# Altium PCB 20200707USB调压器V1.3 - 副本.PcbDoc
Units mil, origin at the board's own origin, x right, y up, seen from the top; angles counter-clockwise.
Board outline 2660.94 x 940.03 mil, 2 copper layers (Top Layer, Bottom Layer); 71 components, 56 nets, 223 pads, 172 vias.
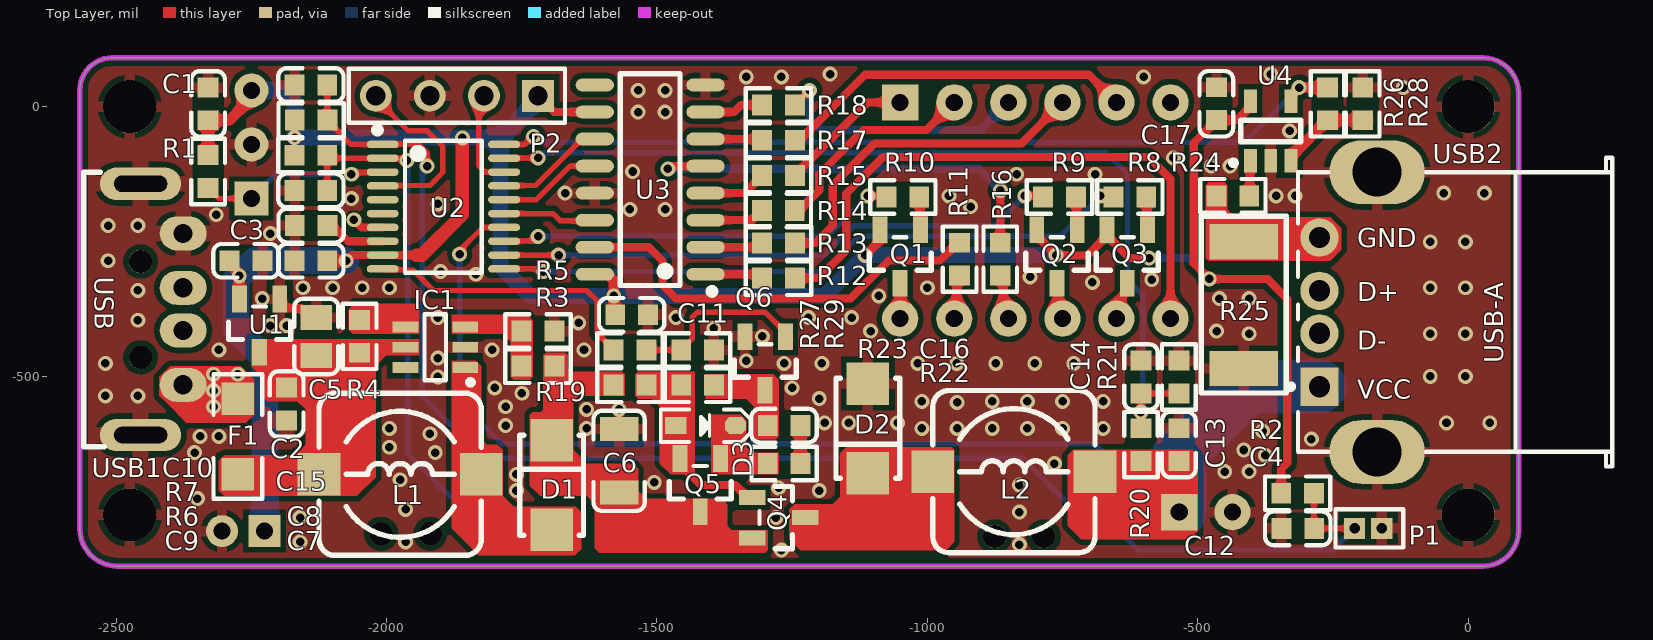
[diagram p0: Top Layer view]
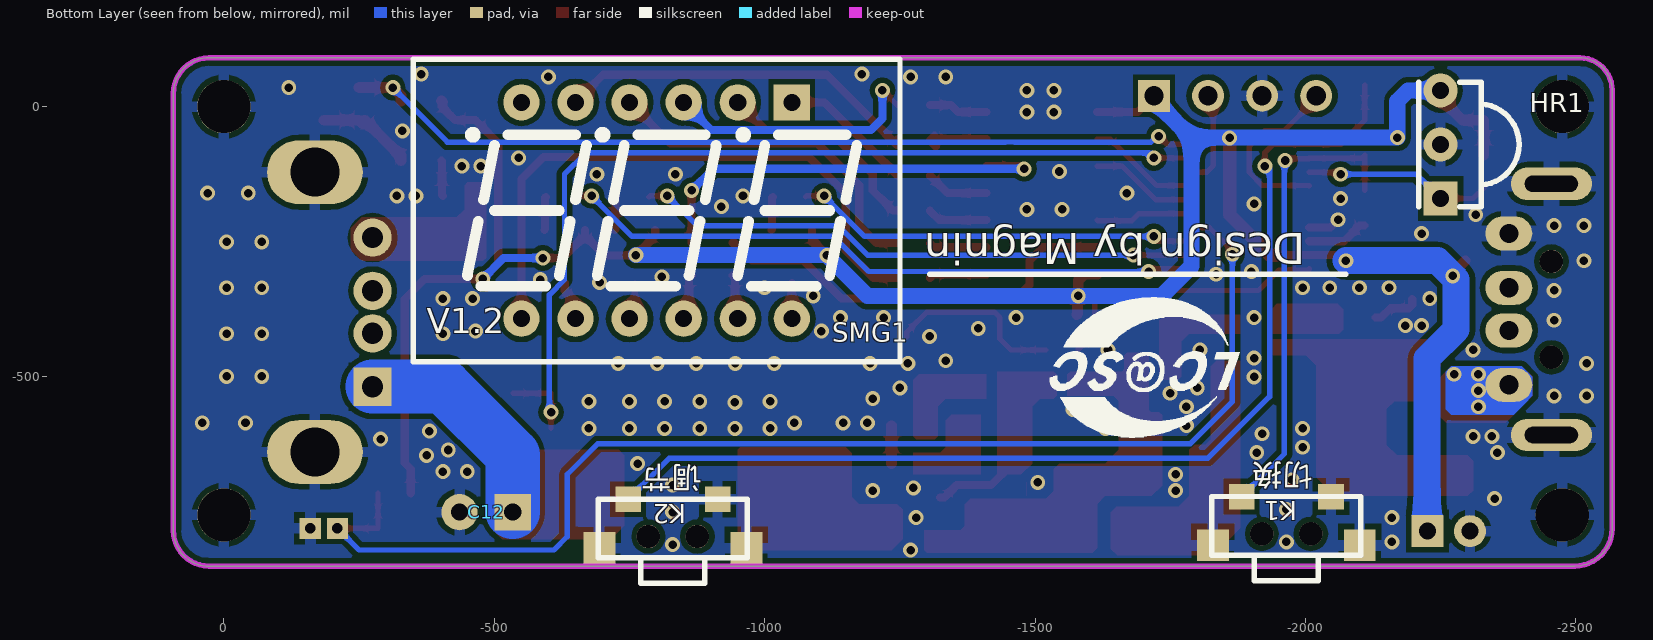
[diagram p1: Bottom Layer view, seen from below]
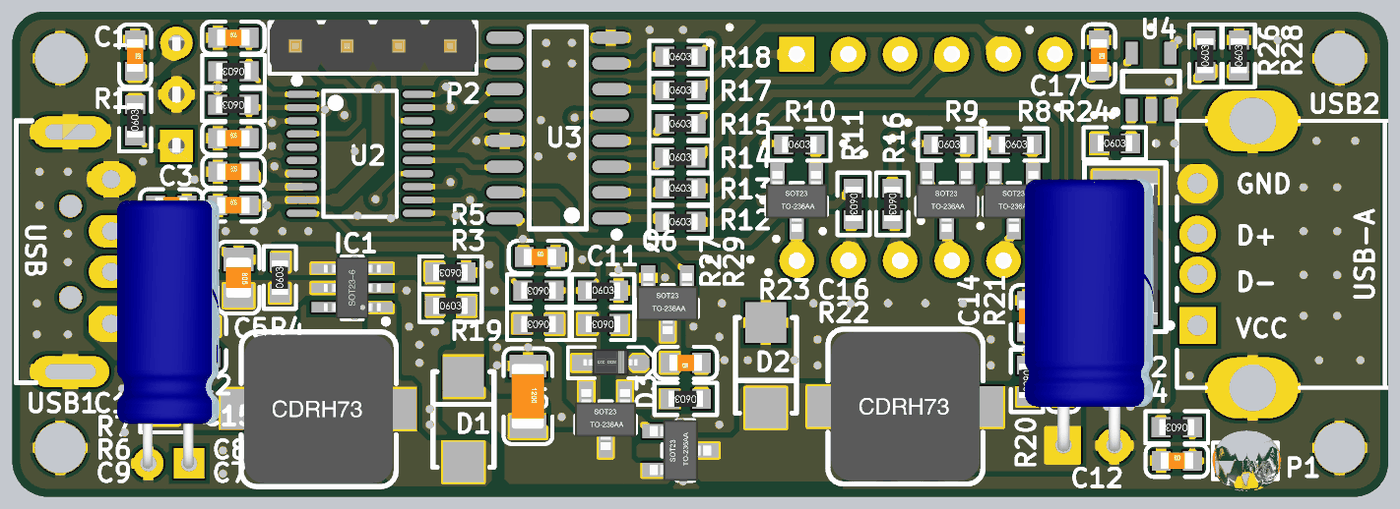
[diagram p2: 3D render of the assembled board from above, using the file's embedded part models]
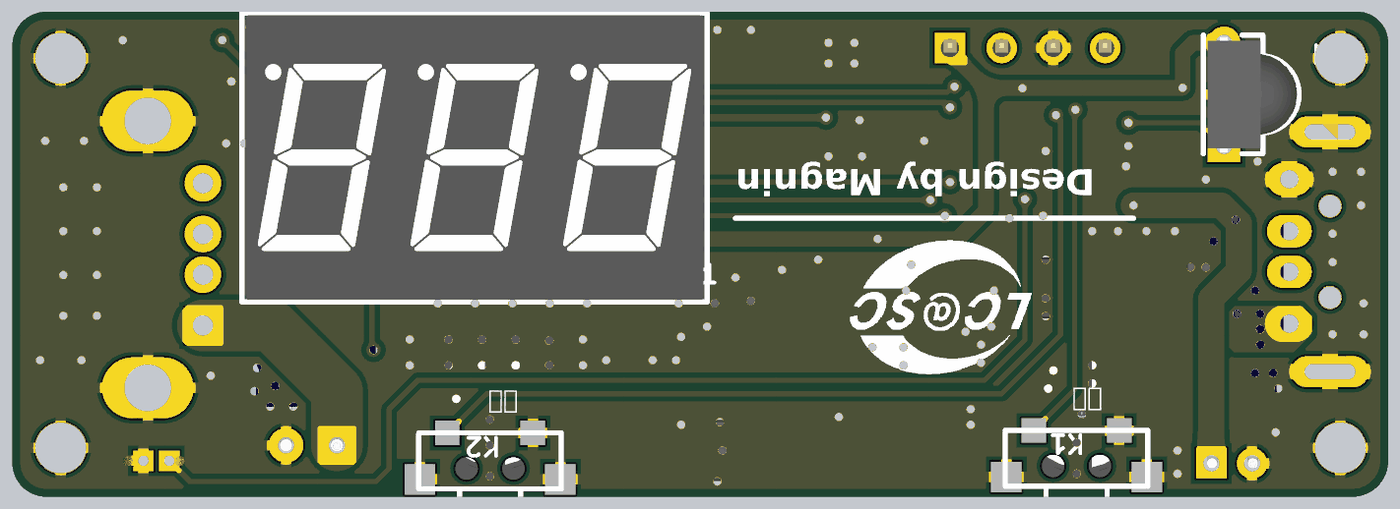
[diagram p3: 3D render of the assembled board from below, using the file's embedded part models]

## Layer stack, top to bottom
Top Solder: solder mask 0.4, Solder Resist, Dk 3.5
Top Layer: signal copper 1.4
Dielectric 1: dielectric 12.6, FR-4, Dk 4.8
Bottom Layer: signal copper 1.4
Bottom Solder: solder mask 0.4, Solder Resist, Dk 3.5

## Board outline
-2567.39,-780.25 -2567.39,30.25 cw(c-2507.37,30.25) -2507.37,90.27 27.4,90.27 cw(c27.4,24.12) 93.55,24.12 93.55,-783.62 cw(c27.4,-783.62) 27.4,-849.76 -2497.88,-849.76 cw(c-2497.88,-780.25)

## Design rules (kind name [scope] priority, off if disabled: settings)
Clearance Clearance_1 [(InComponent('K1') or InComponent('K2')   )  and IsPad] p1: gap=10 ignorepadtopadclearanceinfootprint=FALSE except(0: Arc-SMDPad Track-SMDPad)
Clearance [All] p2: gap=10 ignorepadtopadclearanceinfootprint=FALSE except(0: Arc-Hole Track-Hole SMDPad-Hole THPad-Hole Via-Hole Fill-Hole Poly-Hole Region-Hole Text-Hole)
ComponentClearance [All] p1: gap=0 collisioncheckmode=3 verticalgap=0 showdistances=FALSE
PolygonConnect PolygonConnect_2 [(InComponent('USB1') or InComponent('R27')) and InNet('GND') or InComponent('C2')] p1: connectstyle=Relief reliefconductorwidth=30 reliefentries=4 polygonreliefangle="90 Angle" airgapwidth=10
PolygonConnect PolygonConnect_1 [IsVia] p2: connectstyle=Direct reliefconductorwidth=10 reliefentries=4 polygonreliefangle="90 Angle" airgapwidth=10
PolygonConnect [All] p3: connectstyle=Relief reliefconductorwidth=20 reliefentries=4 polygonreliefangle="90 Angle" airgapwidth=10
RoomDefinition INFRARED [InComponentClass('INFRARED')] p1: confinementstyle=ConfineIn formatcopy=TRUE lockcomponents=FALSE outline -2025,340 -2490,340 -2490,-225 -2025,-225
RoomDefinition 电源模块 [InComponentClass('电源模块')] p2: confinementstyle=ConfineIn formatcopy=TRUE lockcomponents=FALSE outline -3300,-840 385,-840 385,105 -3300,105
RoomDefinition 显示模块 [InComponentClass('显示模块')] p3: confinementstyle=ConfineIn formatcopy=TRUE lockcomponents=FALSE outline -1810.32,-560 -210,-560 -210,140 -1810.32,140
RoomDefinition 按键模块 [InComponentClass('按键模块')] p4: confinementstyle=ConfineIn formatcopy=TRUE lockcomponents=FALSE outline -2275,125 -595,125 -595,-910 -2275,-910
RoomDefinition 主控模块 [InComponentClass('主控模块')] p5: confinementstyle=ConfineIn formatcopy=TRUE lockcomponents=FALSE outline -2310,-350 -2310,135 -1660,135 -1660,-350
RoomDefinition U_SX1308 [InComponentClass('U_SX1308')] p6: confinementstyle=ConfineIn formatcopy=TRUE lockcomponents=FALSE outline -2180,-960 -1490,-960 -1490,-230 -2180,-230
RoomDefinition U_NTC [InComponentClass('U_NTC')] p7: confinementstyle=ConfineIn formatcopy=TRUE lockcomponents=FALSE outline -420,-910 -90,-910 -90,-655 -420,-655
RoomDefinition U_ME6209 [InComponentClass('U_ME6209')] p8: confinementstyle=ConfineIn formatcopy=TRUE lockcomponents=FALSE outline -2140,-249.48 -2325.75,-249.48 -2325.75,-655 -2140,-655
RoutingVias [All] p1: holewidth=15.75 width=27.56 viastyle="Through Hole" minholewidth=15.75 minwidth=27.56 maxholewidth=28 maxwidth=50
ShortCircuit ShortCircuit_1 [(InComponent('K1') or InComponent('K2')   )  and IsPad] p1: allowed=TRUE
ShortCircuit [All] p2: allowed=FALSE
SolderMaskExpansion [All] p1: expansion=4 istentingtop=FALSE
Width [All] p1: maxlimit=200 minlimit=10 preferedwidth=10
28 further rules are at their usual default settings.

## Classes and differential pairs
net class A[1..3]: A1 A2 A3
component class 电源模块: C12 C13 C14 C15 C16 C17 D2 D3 F1 L2 Q4 Q5 Q6 R19 R20 R21 R22 R23 R24 R25 R26 R27 R28 R29 U4 USB1 USB2
component class 显示模块: C11 Q1 Q2 Q3 R8 R9 R10 R11 R12 R13 R14 R15 R16 R17 R18 SMG1 U3
component class 按键模块: C9 C10 K1 K2 R6 R7
component class 主控模块: C7 C8 P2 U2
component class U_SX1308: C5 C6 D1 IC1 L1 R3 R4 R5
component class U_NTC: C4 P1 R2
component class U_ME6209: C2 C3 U1
component class INFRARED: C1 HR1 R1

## Components (designator, comment, footprint, x,y, rotation, side; value= is the part's Value field where it differs from the comment)
C1 "100nF" LC-0603_C -2330,5 r270 top
C2 "1uF" LC-0603_C -2185,-550 r90 top (schematic designator C1)
C3 "10uF" LC-0603_C -2260,-285 r180 top (schematic designator C2)
C4 "100nF" LC-0603_C -315,-780 r0 top (schematic designator C1)
C5 "22uF" LC-0805_C -2130,-425.04 r270 top (schematic designator C1)
C6 "10uF" LC-1206_C -1570,-655 r270 top (schematic designator C2)
C7 "100nF" LC-0603_C -2140,-285 r0 top (schematic designator C1)
C8 "1uF" LC-0603_C -2139.68,-220 r0 top (schematic designator C2)
C9 "100nF" LC-0603_C -2140,-155 r0 top (schematic designator C3)
C10 "100nF" LC-0603_C -2140,40 r0 top (schematic designator C4)
C11 "100nF" LC-0603_C -1546.87,-385 r0 top (schematic designator C5)
C12 "100uF/35V" "CAP 2.5*6.3*11.2-H" -485,-750 r0 bottom (schematic designator C6)
C13 "100nF" LC-0603_C -535,-625 r270 top (schematic designator C7)
C14 "20pF" LC-0603_C -605,-500 r270 top (schematic designator C8)
C15 "220uF/10V" "CAP 2.0*5*11-H" -2265,-785 r180 top (schematic designator C9)
C16 "1uF" LC-0603_C -1265,-590 r180 top (schematic designator C10)
C17 "100nF" LC-0603_C -465.49,5.32 r270 top (schematic designator C11)
D1 "SS34" LC-SMA(DO-214AC)_S1 -1695,-700 r270 top
D2 "SS34" LC-SMA(DO-214AC)_S1 -1110,-595 r90 top (schematic designator D1)
D3 "1N4007" SOD-323 -1410,-590 r0 top (schematic designator D2)
F1 "MF-NSMF020-2 0.2A 24V" 1206 -2275,-610 r270 top value=24V/1A
HR1 "VS1838B" VS1838B-A -2250,-70 r90 bottom
IC1 "SX1308" SOT23-6N -1910,-445 r90 top
K1 "SW_P" KEY-TH_K2-1112SA-AXXW-XX -1964.7,-766.1 r0 bottom
K2 "SW_P" KEY-TH_K2-1112SA-AXXW-XX -830.3,-771.1 r0 bottom
L1 "10uH" CDRH73 -1975,-680 r0 top locked
L2 "47uH" CDRH73 -840,-675 r0 top (schematic designator L1)
P1 "Header 2" 1.27mm*2_via -209.9,-779.33 r0 top
P2 "Header 4P" 2.54mm_4P -1720,20 r180 top (schematic designator P1)
Q1 "SS8550 Y2" LC-SOT-23(SOT-23-3) -1050.32,-277.13 r90 top
Q2 "SS8550 Y2" LC-SOT-23(SOT-23-3) -760.32,-277.13 r90 top
Q3 "SS8550 Y2" LC-SOT-23(SOT-23-3) -630.32,-277.13 r90 top
Q4 "AO3407 P道沟 X13A15 SOT-23" LC-SOT-23(SOT-23-3) -1275,-760 r180 top
Q5 "SS8050 Y1" LC-SOT-23(SOT-23-3) -1420,-700 r90 top
Q6 "SS8050 Y1" LC-SOT-23(SOT-23-3) -1300,-475 r90 top
R1 "100KΩ" LC-0603_R -2330,-120 r90 top
R2 "10KΩ" LC-0603_R -315.31,-715 r180 top (schematic designator R1)
R3 "270KΩ" LC-0603_R -1720,-480 r0 top (schematic designator R1)
R4 "100KΩ" LC-0603_R -2050,-425 r90 top (schematic designator R2)
R5 "10KΩ" LC-0603_R -1720,-415 r180 top (schematic designator R3)
R6 "10KΩ" LC-0603_R -2140,-90 r180 top (schematic designator R1)
R7 "10KΩ" LC-0603_R -2139.68,-25 r180 top (schematic designator R2)
R8 "10KΩ" LC-0603_R -625.63,-167.13 r0 top (schematic designator R3)
R9 "10KΩ" LC-0603_R -755.63,-167.13 r0 top (schematic designator R4)
R10 "10KΩ" LC-0603_R -1045.32,-167.13 r0 top (schematic designator R5)
R11 "1KΩ" LC-0603_R -940.32,-282.13 r270 top (schematic designator R6)
R12 "1KΩ" LC-0603_R -1275.32,-317.13 r0 top (schematic designator R7)
R13 "1KΩ" LC-0603_R -1275.32,-252.13 r0 top (schematic designator R8)
R14 "1KΩ" LC-0603_R -1275.63,-192.13 r0 top (schematic designator R9)
R15 "1KΩ" LC-0603_R -1275.32,-127.13 r0 top (schematic designator R10)
R16 "1KΩ" LC-0603_R -865.32,-282.13 r270 top (schematic designator R11)
R17 "1KΩ" LC-0603_R -1275.32,-62.13 r0 top (schematic designator R12)
R18 "1KΩ" LC-0603_R -1275.32,2.87 r0 top (schematic designator R13)
R19 "4.7KΩ" LC-0603_R -1550,-515 r180 top (schematic designator R14)
R20 "100KΩ" LC-0603_R -605,-625 r270 top (schematic designator R15)
R21 "10KΩ" LC-0603_R -535,-500 r270 top (schematic designator R16)
R22 "10KΩ" LC-0603_R -1265,-660 r180 top (schematic designator R17)
R23 "10KΩ" LC-0603_R -1425,-515 r180 top (schematic designator R18)
R24 "1KΩ" LC-0603_R -435,-165 r0 top (schematic designator R19)
R25 "0.1Ω" "R 2512_L" -415,-368.11 r90 top (schematic designator R20)
R26 "100KΩ" LC-0603_R -260,5 r90 top (schematic designator R21)
R27 "10KΩ" LC-0603_R -1550,-450 r180 top (schematic designator R22)
R28 "10KΩ" LC-0603_R -195,5 r90 top (schematic designator R23)
R29 "100KΩ" LC-0603_R -1425,-450 r0 top (schematic designator R24)
SMG1 "3631B" "SMG 0.36-3P" -800.32,-192.13 r0 bottom
U1 "ME6209" "LC-SOT-23(SOT-23-3) - duplicate" -2235,-405 r90 top
U2 "STM8S003F3P6" LC-TSSOP-20 -1895,-185 r270 top (schematic designator U1)
U3 "74HC595D" LC-SOIC-16_150mil -1512.64,-135 r90 top (schematic designator U2)
U4 "LMV321-TR" LC-SOT-23-5 -365,-45 r270 top (schematic designator U3)
USB1 "USB" USB_A/P_A -2455,-375 r270 top locked
USB2 "USB" USB-A/S_A -275,-380 r0 top locked

## Footprints (in the part's own frame and the unit in brackets; to place one, negate y for a bottom-side part, rotate by r counter-clockwise, add the part's x,y. Pads: shape width x height; smd on the part's side, far side on the other; paste and mask are expansions set on the pad)
1.27mm*2_via [mm]
  rect 1x1 hole 0.5: 1(-0.003,-0.017) 2(1.267,-0.017)
  silkscreen extent -0.9,-0.92 2.29,0.88, body extent -0.92,-1.53 2.46,1.47, height 11
2.54mm_4P [mm] "排针"
  rect 1.5x1.5 hole 0.9: 1(0,0)
  round 1.5 hole 0.9: 2(2.54,0) 3(5.08,0) 4(7.62,0)
  silkscreen extent -1.27,-1.27 8.89,1.27, body extent -1.27,-1.37 8.89,1.17, height 8.37
1206 [mil] "贴片元件"
  rect 60x60 smd: 1(-70,0) 2(70,0)
  silkscreen extent -115,-45 115,45, body extent -75,-35 75,35, height 39
"CAP 2.0*5*11-H" [mm] "脚距2mm直径5mm高度11mm"
  rect 1.5x1.5 hole 0.8: 1(-1,0)
  round 1.5 hole 0.8: 2(1,0)
  body extent -2.48,-12.96 2.53,0.25, height 5.02
"CAP 2.5*6.3*11.2-H" [mm] "脚距2.5mm直径6.3mm高度11.2mm"
  rect 1.7x1.7 hole 0.8: 1(-1.25,0)
  round 1.7 hole 0.8: 2(1.25,0)
  body extent -3.15,-13.11 3.16,0.3, height 2.49
CDRH73 [mm] "7.3*7.3*3.4mm（长宽高）"
  rect 2x2 smd: 1(-3.81,0) 2(3.81,0)
  silkscreen extent -3.81,-3.81 3.81,3.81, body extent -3.65,-3.65 3.65,3.65, height 3.65
KEY-TH_K2-1112SA-AXXW-XX [mil]
  rect 47.25x47.24 smd: 1(-82.67,-45)
  rect 47.24x47.24 smd: 2(82.68,-45)
  rect 59.06x59.06 smd: 3(135.83,45)
  rect 59.05x59.06 smd: 4(-135.82,45)
  round 43.31 hole 43.31 unplated: ""(-45.3,23.9) ""(45.3,23.9)
  silkscreen extent -138,-45 138,111
LC-0603_C [mm]
  rect 0.93x0.98 smd: 1(-0.77,0) 2(0.77,0)
  silkscreen extent -1.53,-0.79 1.54,0.79, body extent -0.8,-0.4 0.8,0.4, height 0.3
LC-0603_R [mm]
  rect 0.93x0.98 smd: 1(-0.77,0) 2(0.77,0)
  silkscreen extent -1.53,-0.79 1.54,0.79, body extent -0.85,-0.4 0.85,0.4, height 0.56
LC-0805_C [mm]
  rect 1.16x1.47 smd: 1(-0.89,0) 2(0.89,0)
  silkscreen extent -1.77,-1.04 1.77,1.04, body extent -1,-0.62 1,0.63, height 0.77
LC-1206_C [mm]
  rect 1.13x1.8 smd: 1(-1.49,0) 2(1.49,0)
  silkscreen extent -2.36,-1.2 2.35,1.2, body extent -1.6,-0.81 1.6,0.79, height 1
LC-SMA(DO-214AC)_S1 [mm]
  rect 2x2 smd: 1(2.1,0) 2(-2.1,0)
  silkscreen extent -2.35,-1.5 2.35,1.5
LC-SOIC-16_150mil [mm]
  oval 0.6x1.8 smd: 1(-4.445,-2.6) 2(-3.175,-2.6) 3(-1.905,-2.6) 4(-0.635,-2.6) 5(0.635,-2.6) 6(1.905,-2.6) 7(3.175,-2.6) 8(4.445,-2.6) 9(4.445,2.6) 10(3.175,2.6) 11(1.905,2.6) 12(0.635,2.6) 13(-0.635,2.6) 14(-1.905,2.6) 15(-3.175,2.6) 16(-4.445,2.6)
  silkscreen extent -5.4,-3.05 4.97,1.4
LC-SOT-23(SOT-23-3) [mm]
  rect 1.25x0.7 smd: 1(1.25,-0.95) 2(1.25,0.95) 3(-1.25,0)
  silkscreen extent -0.65,-1.46 0.9,1.46, body extent -1.5,-1.5 1.5,1.5, height 1.3
"LC-SOT-23(SOT-23-3) - duplicate" [mm]
  rect 1.25x0.7 smd: 1(1.25,-0.95) 2(1.25,0.95) 3(-1.25,0)
  silkscreen extent -0.65,-1.46 0.9,1.46, body extent -1.5,-1.5 1.5,1.5, height 1.3
LC-SOT-23-5 [mm]
  rect 1.1x0.6 smd: 1(1.4,-0.95) 2(1.4,0) 3(1.4,0.95) 4(-1.4,0.95) 5(-1.4,-0.95)
  silkscreen extent -0.5,-1.87 1.62,1.4
LC-TSSOP-20 [mm]
  oval 0.35x1.5 smd: 1(-2.925,-2.85) 2(-2.275,-2.85) 3(-1.625,-2.85) 4(-0.975,-2.85) 5(-0.325,-2.85) 6(0.325,-2.85) 7(0.975,-2.85) 8(1.625,-2.85) 9(2.275,-2.85) 10(2.925,-2.85) 11(2.925,2.85) 12(2.275,2.85) 13(1.625,2.85) 14(0.975,2.85) 15(0.325,2.85) 16(-0.325,2.85) 17(-0.975,2.85) 18(-1.625,2.85) 19(-2.275,2.85) 20(-2.925,2.85)
  silkscreen extent -3.75,-3.25 3.1,1.8
"R 2512_L" [mm] "1W贴片电阻"
  rect 1.65x3.2 smd: 1(-2.95,0) 2(3,0)
  silkscreen extent -4.1,-2 4.2,2, body extent -3.2,-1.6 3.2,1.6, height 0.55
"SMG 0.36-3P" [mm] "22.5*14*7.2mm(长宽厚)"
  rect 1.7x1.7 hole 0.8: 1(-6.35,-5.08)
  round 1.7 hole 0.8: 2(-3.81,-5.08) 3(-1.27,-5.08) 4(1.27,-5.08) 5(3.81,-5.08) 6(6.35,-5.08) 7(6.35,5.08) 8(3.81,5.08) 9(1.27,5.08) 10(-1.27,5.08) 11(-3.81,5.08) 12(-6.35,5.08)
  silkscreen extent -11.43,-7.11 11.43,7.11, body extent -11.25,-7 11.25,7, height 7.2
SOD-323 [mm] "1.8x1.3X0.9mm（长宽高，不包括引脚）"
  rect 1x0.8 smd: 1(-1.4,0)
  oct 1x0.8 smd: 2(1.4,0)
  silkscreen extent -2.11,-0.76 2.11,0.76, body extent -1.34,-0.63 1.31,0.67, height 1
SOT23-6N [mm] "3x1.6x1.1mm(长宽高)"
  rect 0.5x1.2 smd: 1(-0.95,-1.4) 2(0,-1.4) 3(0.95,-1.4) 4(0.95,1.4) 5(0,1.4) 6(-0.95,1.4)
  silkscreen extent -1.78,-1.78 1.55,0.51, body extent -1.5,-1.4 1.5,1.4, height 1.15
USB-A/S_A [mm] "A型直插母头， 淘宝ID:黄晶宝石   店铺网址:https://shop463601444.taobao.com"
  rect 1.8x1.8 hole 1: 1(0,-3.5)
  round 1.8 hole 1: 2(0,-1) 3(0,1) 4(0,3.5)
  oval 4.5x3 hole 2.3: 4(2.71,-6.57) 4(2.71,6.57)
  silkscreen extent -1.47,-7.25 13.75,7.25, body extent -0.6,-7.34 13.7,7.34, height 6.8
USB_A/P_A [mm] "A型USB 插头，20*13*4.5mm"
  round 1.1 hole 1.1: 0(-2.25,0) 0(2.25,0)
  oval 1.6x2.2 hole 0.9: 1(3.543,2) 2(0.987,2) 3(-1.013,2) 4(-3.569,2)
  oval 1.524x3.81 hole 0.762 slot 2.5 at 90 deg: 4(-5.9,0) 4(5.9,0)
  silkscreen extent -6.45,-2.67 6.45,-1.7, body extent -6.47,-17.9 6.47,2.1, height 3.25
VS1838B-A [mm] "一体红外接收头                 淘宝ID:黄晶宝石"
  rect 1.6x1.6 hole 0.8: 1(-2.54,0)
  round 1.6 hole 0.8: 2(0,0) 3(2.54,0)
  silkscreen extent -2.92,-3.69 2.92,1.02, body extent -2.84,-3.6 2.84,0.8, height 8.3

## Part data
C1 C4 C7 C9 C10 C11 C13 C17: library part "0603 100nF (104) 10% 50V", "贴片电容", Package=0603, SuppliersPartNumber=C14663, ComponentLink1Description=供应商链接, ComponentLink1URL=http://www.szlcsc.com/product/details_15331.html, Supplier=LC
C2 C8 C16: library part "0603 1uF (105) 10% 50V", "贴片电容", Package=0603, SuppliersPartNumber=C15849, ComponentLink1Description=供应商链接, ComponentLink1URL=http://www.szlcsc.com/product/details_16531.html, Supplier=LC
C3: library part "0603 10uF (106) 10% 10V", "贴片电容", Package=0603, SuppliersPartNumber=C19702, ComponentLink1Description=供应商链接, ComponentLink1URL=http://www.szlcsc.com/product/details_20411.html, Supplier=LC
C5: library part "0805 22uF (226) 20% 25V", "贴片电容", Package=0805, SuppliersPartNumber=C45783, ComponentLink1Description=供应商链接, ComponentLink1URL=http://www.szlcsc.com/product/details_46786.html, Supplier=LC
C6: library part "1206 10uF (106) 10% 50V", "贴片电容", Package=1206, SuppliersPartNumber=C13585, ComponentLink1Description=供应商链接, ComponentLink1URL=http://www.szlcsc.com/product/details_14236.html, Supplier=LC
C12 C15: library part CE, "直插电解电容", BOM名称=直插电解电容, 淘宝ID="封装库来自淘宝 ID：黄晶宝石", 联系售后=https://shop463601444.taobao.com
C14: library part "0603 20pF (200) 5% 50V", "贴片电容", Package=0603, SuppliersPartNumber=C1648, ComponentLink1Description=供应商链接, ComponentLink1URL=http://www.szlcsc.com/product/details_2000.html, Supplier=LC
D1 D2: library part "SMA(DO-214AC) SS54", "二极管", Package=SMA(DO-214AC), SuppliersPartNumber=C22452, ComponentLink1Description=供应商链接, ComponentLink1URL=http://www.szlcsc.com/product/details_23178.html, Supplier=LC
D3: library part 1N4148, "开关二极管", BOM名称=高速开关二极管, 欢迎光临=https://shop463601444.taobao.com, 淘宝ID="封装库来自淘宝 ID：黄晶宝石"
F1: "自恢复保险丝", LatestRevisionDate=17-Jul-2002, LatestRevisionNote="Re-released for DXP Platform.", PackageReference=AXIAL-0.4, Published=8-Jun-2000, Publisher="Altium Limited"
HR1: "红外接收头", BOM名称=红外接收头, 技术支持，联系售后=https://shop463601444.taobao.com, 版权归属="封装库来自淘宝 ID：黄晶宝石"
IC1: "可调升压芯片", BOM名称=可调升压芯片, 学习资源=www.ooocke.com, 版权归属="封装库来自淘宝 ID：黄晶宝石"
K1 K2: "轻触开关侧"
L1 L2: library part L-CDRH, "功率屏蔽电感", BOM名称=功率屏蔽电感, 版权归属="封装库来自淘宝 ID：黄晶宝石", 联系售后=https://shop463601444.taobao.com
P1: "接插件", LatestRevisionDate=17-Jul-2002, LatestRevisionNote="Re-released for DXP Platform.", Publisher="Altium Limited"
Q1 Q2 Q3: library part "SOT-23 SS8550 Y2", "三极管", Package=SOT-23, SuppliersPartNumber=C8542, ComponentLink1Description=供应商链接, ComponentLink1URL=http://www.szlcsc.com/product/details_9037.html, Supplier=LC
Q4: library part "AO3401A P道沟 X13A15 SOT-23", "MOS(场效应管)", Package=SOT-23, SuppliersPartNumber=C15127, ComponentLink1Description=供应商链接, ComponentLink1URL=http://www.szlcsc.com/product/details_15801.html, Supplier=LC
Q5 Q6: library part "SOT-23 SS8050 Y1", "三极管", Package=SOT-23, SuppliersPartNumber=C2150, ComponentLink1Description=供应商链接, ComponentLink1URL=http://www.szlcsc.com/product/details_2507.html, Supplier=LC
R1 R4 R20 R26 R29: library part "0603 100KΩ (1003) 1%", "贴片电阻", Package=0603, SuppliersPartNumber=C25803, ComponentLink1Description=供应商链接, ComponentLink1URL=http://www.szlcsc.com/product/details_26546.html, Supplier=LC
R2 R5 R6 R7 R8 R9 R10 R21 R22 R23 R27 R28: library part "0603 10KΩ (1002) 1%", "贴片电阻", Package=0603, SuppliersPartNumber=C25804, ComponentLink1Description=供应商链接, ComponentLink1URL=http://www.szlcsc.com/product/details_26547.html, Supplier=LC
R3: library part "0603 390KΩ (3903) 1%", "贴片电阻", Package=0603, SuppliersPartNumber=C23150, ComponentLink1Description=供应商链接, ComponentLink1URL=http://www.szlcsc.com/product/details_23877.html, Supplier=LC
R11 R12 R13 R14 R15 R16 R17 R18 R24: library part "0603 1KΩ (1001) 1%", "贴片电阻", Package=0603, SuppliersPartNumber=C21190, ComponentLink1Description=供应商链接, ComponentLink1URL=http://www.szlcsc.com/product/details_21904.html, Supplier=LC
R19: library part "0603 4.7KΩ (4701) 1%", "贴片电阻", Package=0603, SuppliersPartNumber=C23162, ComponentLink1Description=供应商链接, ComponentLink1URL=http://www.szlcsc.com/product/details_23889.html, Supplier=LC
R25: library part R, "贴片电阻", BOM名称=贴片电阻, 封装库来自淘宝卖家 ID：黄晶宝石=其他店铺购入均为盗版，不享受售后技术支持服务，请立即申请退款, 版权归属="来自淘宝 ID：黄晶宝石", 联系售后=https://shop463601444.taobao.com
SMG1: "0.36寸3位共阳数码管", BOM名称=0.36寸3位共阳, 学习资源=https://shop463601444.taobao.com, 版权归属="封装库来自淘宝 ID：黄晶宝石"
U1: "低压差线性稳压"
U2: "MCU", Package=TSSOP-20, SuppliersPartNumber=C18615, ComponentLink1Description=供应商链接, ComponentLink1URL=http://www.szlcsc.com/product/details_19317.html, Supplier=LC
U3: "74系列逻辑芯片", Package=SOIC-16_150mil, SuppliersPartNumber=C5947, ComponentLink1Description=供应商链接, ComponentLink1URL=http://www.szlcsc.com/product/details_6413.html, Supplier=LC
U4: library part LMV321IDBVRG4, "运放", Package=SOT-23-5, SuppliersPartNumber=C7972, ComponentLink1Description=供应商链接, ComponentLink1URL=http://www.szlcsc.com/product/details_8449.html, Supplier=LC
USB1: library part USB-A/P, "USB-A型公接口", BOM名称=USB-A型公接口, 学习资源=https://shop463601444.taobao.com, 版权归属="封装库来自淘宝卖家 ID：黄晶宝石"
USB2: library part USB-A/S, "USB-A型母接口", BOM名称=USB-A型母接口, 学习资源=https://shop463601444.taobao.com, 版权归属="封装库来自淘宝 ID：黄晶宝石"

## Free pads (board coordinates)
  round 98.43 hole 98.43: 2(-2475,-755) 2(-2475,0) 2(0,-755) 2(0,0)

## Via types
v1: diameter 27.56, hole 15.75, Top Layer to Bottom Layer, tented both sides, 172 vias

## Nets (pads, with @x,y where several pads share a name; then routed paths per layer and width w, separated by ;. In a path a pad name is that pad's centre, name@x,y a point inside that pad or via, vN(x,y) a via of type N, cw(c..) or ccw(c..) an arc to the next point about the centre after c; other vN are vias at no path point)
3.3V: C1.2 C3.2 C7.2 C11.1 C15.1 C17.2 HR1.3 P2.1 Q1.2 Q2.2 Q3.2 R1.2 R2.2 R6.2 R7.2 U1.2 U2.9 U3.10 U3.16 U4.5 | length 5484.1
  Top Layer w15: v1(-2075,-285) -2064.57,-274.57 U2.9 -1945,-274.57 ; P2.1@-1740,30 -1730,20 P2.1 -1690,-10 U3.10 ; v1(-1115,-275) -1087.72,-247.72 Q1.2 ; Q2.2 -797.72,-238.74 v1(-761.9,-274.55) -761.46,-275 -703.98,-275 Q3.2@-667.72,-238.74 ; Q3.2 Q3.2@-667.72,-238.74 ; v1(-590,-280) -626.46,-280 Q3.2@-667.72,-238.74 ; U4.5 -402.4,0.28 -427.68,-25 C17.2 -465.25,-25.25 -507.5,-67.5 -507.5,-289.94 v1(-478.72,-318.72) -371.28,-318.72 -334.51,-355.49 -334.51,-658.88 -345.63,-670 R2.2
  Top Layer w20: R1.2 C1.2 -2290.32,-25.32 -2255,10 HR1.3@-2255,25 ; C3.2@-2295.63,-285 -2270,-310.63 v1(-2272.5,-313.13) -2272.5,-345.89 U1.2@-2270,-348.39 ; HR1.3@-2260,30 HR1.3@-2255,25 ; HR1.3 HR1.3@-2255,25 ; C7.2 v1(-2075,-285) ; U3.16 -1591.72,-310 -1580,-321.72 v1(-1580,-350) -1578.59,-351.41 -1578.59,-383.59 C11.1 ; U4.5@-404.21,8.31 U4.5
  Top Layer w25: -1945,-274.57 -1934.57,-274.57 -1860,-200 v1@-1860,-60
  Bottom Layer w15: v1(-590,-280) -517.44,-280 v1(-478.72,-318.72)
  Bottom Layer w30: v1(-2272.5,-313.13) -2272.5,-412.5 -2225,-460 C15.1@-2225,-785 ; HR1.3 -2190,30 -2170,10 v1(-2170,-57.34) -1789.48,-57.34 ; P2.1 -1720,12.14 -1789.48,-57.34 ; v1(-761.9,-274.55) -1114.55,-274.55 v1(-1115,-275) -1190,-350 v1(-1580,-350) -1734.84,-350 -1789.48,-295.36 -1789.48,-57.34
  Bottom Layer w50: C15.1@-2225,-785 -2225,-466.02 -2278.78,-412.24 -2278.78,-319.41 v1(-2272.5,-313.13) -2244.37,-285 v1(-2075,-285)
  other v1: -1860,-58
16.8V: C6.2 D1.2 Q4.2 Q5.3 R3.2 R19.2
A: R11.2 SMG1.11 | length 83.8
  Top Layer w15: SMG1.11 -945.32,-387.13 -945.32,-317.44 R11.2
A1: R10.1 U2.13 | length 742.8
  Top Layer w10: U2.13 -1782.33,-248.52 -1728.52,-248.52 v1(-1720,-240) ; v1(-1110,-165) -1077.76,-165 R10.1
  Bottom Layer w10: v1(-1720,-240) -1185,-240 v1(-1110,-165)
A2: R9.1 U2.12 | length 1043.1
  Top Layer w10: U2.12 v1(-1682.04,-274.57) ; v1(-820,-165) -788.07,-165 R9.1
  Bottom Layer w10: v1(-1682.04,-274.57) -1190.28,-274.57 -1135.71,-220 -875,-220 v1(-820,-165)
A3: R8.1 U2.11 | length 1182.4
  Top Layer w10: U2.11@-1775.55,-300 -1715,-300 v1(-1710,-305) ; v1(-680,-165) -656.18,-165 -655,-166.18 R8.1
  Bottom Layer w10: v1(-1710,-305) -1192.43,-305 -1127.43,-240 -755,-240 v1(-680,-165)
AGND: R24.1 R25.2 USB2.4@-275,-242.2
B: R12.2 SMG1.7 | length 1124.1
  Top Layer w15: R12.2 -1201.36,-317.13 -1150,-265.76 -1150,-160.76 -1082.33,-93.09 -591.15,-93.09 -550.32,-133.92 SMG1.7
C: R13.2 SMG1.4 | length 656.2
  Top Layer w15: R13.2@-1236.14,-251.14 -1245,-251.14 R13.2 -1207.13,-252.13 -1175,-220 -1175,-145 -1098.09,-68.09 -826.28,-68.09 SMG1.4
CURRENT: R26.2 U2.20 U4.4 | length 1616.8
  Top Layer w10: U2.20 -1744.84,-69.84 -1730,-55 v1(-1728.75,-55)
  Top Layer w20: U4.4 -327.6,19.96 -312.5,35.06 v1(-312.5,35.22) ; v1@-312.6,35.12 v1(-312.5,35.22) ; R26.2@-250,35.32 -250.1,35.22 v1(-312.5,35.22)
  Bottom Layer w10: v1(-1728.75,-55) -1725,-55 -1714.41,-65.59 -1462.47,-65.59 -1462.23,-65.35 -1445.59,-65.35 -1445.36,-65.59 -413.31,-65.59 v1(-312.5,35.22)
D: R14.2 SMG1.2 | length 396.4
  Top Layer w15: R14.2@-1245.32,-191.14 R14.2 -1237.13,-192.13 -1200,-155 -1200,-125 -1118.09,-43.09 -1001.28,-43.09 SMG1.2
DOWN: C9.2 K1.2 R6.1 U2.2 | length 871.9
  Top Layer w10: C9.2 R6.1 -2104.25,-95.43 U2.2 -2006.48,-96.16 -1966.06,-96.16 v1(-1962.56,-99.66) v1@-1962.56,-100.63
  Bottom Layer w10: v1(-1962.56,-99.66) -1961.2,-101.02 -1961.2,-641.92 K1.2
DP: R18.2 SMG1.3 | length 487.8
  Top Layer w10: R18.2 v1(-1217.87,30)
  Bottom Layer w15: v1(-1217.87,30) -1217.87,-22.13 -1196.91,-43.09 -901.28,-43.09 SMG1.3
E: R15.2 SMG1.1 | length 251.2
  Top Layer w15: R15.2 -1245,-126.14 -1110.98,7.87 SMG1.1
F: R16.2 SMG1.10 | length 85.9
  Top Layer w15: R16.2 -860.25,-317.5 -860.25,-382.19 SMG1.10
G: R17.2 SMG1.5 | length 670.6
  Top Layer w15: R17.2@-1245,-71.14 -1115.02,58.84 -701.28,58.84 SMG1.5 ; R17.2 R17.2@-1245,-61.14
GND: C1.1 C2.1 C3.1 C4.1 C5.1 C6.1 C7.1 C8.1 C9.1 C10.1 C11.2 C12.2 C13.1 C14.1 C15.2 C17.1 D2.1 HR1.2 IC1.2 K1.1 K1.3 K1.4 K2.1 K2.3 K2.4 P1.2 P2.3 pad.2 Q6.2 R5.1 R21.1 R25.1 R28.2 R29.2 U1.1 U2.7 U3.8 U3.13 U4.2 USB1.4 USB2.4@-168.31,-121.34 USB2.4@-168.31,-638.66 | length 154.6
  Top Layer w15: U1.1 -2197.6,-366.61 -2191.32,-372.89 -2157.11,-372.89 -2140,-390 C5.1 ; v1(-2060.51,-209.23) -2046.36,-223.39 U2.7
  Top Layer w20: P1.2 P1.2@-154.79,-774.79
  other v1: -1270,-820 -830,-810 -2160,-805 -1965,-805 -2160,-760 -1280,-760 -830,-750 -1965,-745 -2350,-725 -1760,-710 -1200,-710 -1275,-705 -830,-700 -1505,-695 -1975,-690 -1760,-680 -450,-675 -405,-675 -765,-660 -375,-645 -2355,-640 -1910,-640 -415,-635 -1995,-630 -290,-615 -2345,-610 -2310,-610 -1920,-605 -380,-600 -1995,-595 -1630,-595 -1010,-595 -945,-595 -880,-595 -815,-595 -750,-595 -675,-595 -1780,-590 -1190,-585 -1145,-585 -1055,-585 -40,-585 40,-585 -1630,-560 -1570,-560 -1780,-555 -945,-547 -1010,-545 -880,-545 -815,-545 -750,-545 -675,-545 -1200,-540 -2520,-535 -2460,-535 -1750,-530 -1800,-520 -1250,-520 -1905,-500 -70,-499 -5,-499 -2520,-475 -1265,-475 -1195,-475 -1017.86,-475 -945.71,-475 -873.57,-475 -801.43,-475 -729.29,-475 -1335,-470 -1905,-465 -2310,-450 -1805,-450 -1635,-450 -1305,-425 -405,-420 -70,-420 -5,-420 -1105,-415 -465,-415 -1395,-410 -2215,-405 -2185,-405 -1645,-400 -2460,-395 -1905,-390 -1465,-390 -1220,-390 -1140,-390 -2230,-355 -460,-355 -405,-355 -1090,-350 -2460,-340 -2155,-335 -2100,-335 -2045,-335 -1995,-335 -1000,-335 -70,-335 -5,-335 -695,-325 -585,-320 -810,-315 -1835,-310 -1900,-305 -2515,-285 -70,-250 -5,-250 -2215,-235 -2515,-220 -2460,-220 -2315,-200 -1550,-190 -1485,-190 -920,-185 -1905,-180 -2065,-170 -960,-165 -355,-165 -320,-165 -1670,-160 -45,-160 30,-160 -835,-125 -690,-125 -1545,-120 -475,-110 -440,-110 -545,-95 -330,-45 -1535,-10 -1485,-10 -1535,30 -1485,30 -120,35 -1335,55 -1270,55 -600,55 -1180,60 -365,60
INFRARED: HR1.1 R1.1 U2.3 | length 351.2
  Top Layer w10: R1.1 -2310.31,-170 HR1.1 ; v1(-2065,-125) -2061.73,-121.73 -2007.91,-121.73 U2.3
  Bottom Layer w10: HR1.1 -2205,-125 v1(-2065,-125)
NetC16_1: C16.1 R22.1 | length 70
  Top Layer w20: R22.1 C16.1
NetC16_2: C16.2 Q6.3 R23.1
NetD1_1: D1.1 IC1.1 L1.2
NetD2_2: D2.2 L2.1 Q4.3
NetD3_1: D3.1 Q4.1 Q5.2 R19.1 R23.2 | length 162.2
  Top Layer w15: Q5.2@-1452.4,-655.79 -1452.4,-666.61 -1419.02,-700 -1355,-700 -1332.4,-722.6 Q4.1
NetD3_2: D3.2 Q5.1 R22.2
NetF1_1: F1.1 USB1.1 | length 0.4
  Top Layer w50: USB1.1 USB1.1@-2376,-514.74
  other v1: -2320,-555 -2320,-525 -2320,-495 -2275,-495
NetIC1_3: IC1.3 R3.1 R5.2
NetIC1_4: IC1.4 R4.2
NetQ1_1: Q1.1 R10.2 | length 61.7
  Top Layer w15: R10.2 -1013.96,-168.17 -1013.96,-226.87 Q1.1
NetQ1_3: Q1.3 SMG1.12 | length 65.8
  Top Layer w15: SMG1.12 Q1.3
NetQ2_1: Q2.1 R9.2 | length 61.8
  Top Layer w15: R9.2 -724.11,-168.33 -724.11,-226.71 Q2.1
NetQ2_3: Q2.3 SMG1.9 | length 69.9
  Top Layer w10: Q2.3 -760.32,-382.13 SMG1.9
NetQ3_1: Q3.1 R8.2 | length 61.8
  Top Layer w15: R8.2 -594.11,-168.33 -594.11,-226.71 Q3.1
NetQ3_3: Q3.3 SMG1.8 | length 74.1
  Top Layer w15: SMG1.8 -650.32,-360.32 -630.32,-340.32 Q3.3
NetQ6_1: Q6.1 R27.1 R29.1 | length 333.2
  Top Layer w10: R27.1 R29.1 -1435,-429.69 -1435,-390 -1425,-380 -1300,-380 -1262.6,-417.4 Q6.1
NetR11_1: R11.1 U3.15 | length 784.6
  Top Layer w15: U3.15 -1515,-260 -1490,-285 -1490,-330 -1465,-355 -1142.11,-355 -1071.34,-284.23 -976.36,-284.23 -942.13,-250 R11.1
NetR12_1: R12.1 U3.1 | length 108.6
  Top Layer w15: U3.1 -1312.76,-310 R12.1 R12.1@-1305.63,-316.14
NetR13_1: R13.1 U3.2 | length 108.5
  Top Layer w15: U3.2 -1312.52,-260 -1305.63,-253.11 R13.1
NetR14_1: R14.1 U3.3 | length 112.3
  Top Layer w15: U3.3 -1322.84,-210 -1305.95,-193.11 R14.1
NetR15_1: R15.1 U3.4 | length 119.2
  Top Layer w15: U3.4 -1338.5,-160 R15.1 R15.1@-1305.63,-128.11
NetR16_1: R16.1 U3.5 | length 800.3
  Top Layer w15: v1(-1480,-115) -1475,-110 U3.5 ; R16.1 -865,-251.5 v1(-865,-155)
  Bottom Layer w15: v1(-1480,-115) -905,-115 v1(-865,-155)
NetR17_1: R17.1 U3.6 | length 135.8
  Top Layer w15: U3.6 -1316.44,-60 -1316.44,-73.92 -1305.63,-63.11 R17.1 R17.1@-1313.98,-53.78
NetR18_1: R18.1 U3.7 | length 110
  Top Layer w15: U3.7 -1357.87,-10 -1345,2.87 R18.1
NetR24_2: R24.2 U4.1 | length 66
  Top Layer w15: R24.2 -403.54,-163.86 -403.54,-101.26 U4.1 U4.1@-402.52,-100
NetR26_1: R26.1 R28.1 U4.3 | length 176.4
  Top Layer w20: U4.3 -327.6,-90.28 -325.79,-88.46 -324.13,-88.46 -260.98,-25.31 R26.1 ; R26.1@-255,-30.31 -250,-25.31 R28.1 R28.1@-185,-25.31
NRST: P2.4 U2.4 | length 354
  Top Layer w10: P2.4@-2040,30 -2030,30 P2.4 ; P2.4@-2020,15 -1960,-45 -1925,-45 -1896.22,-73.78 -1896.22,-121.92 -1920.19,-145.89 -2006.48,-145.89 U2.4
NTC: C4.2 P1.1 R2.1 U2.14 | length 2372
  Top Layer w10: v1(-1865,-273.07) -1865,-266.14 -1822.25,-223.39 U2.14 ; R2.1 -285,-779.68 C4.2 P1.1
  Bottom Layer w10: v1(-1865,-273.07) -1865,-545.7 -1786.92,-623.78 -691.22,-623.78 -635,-680 -635,-795.3 -610.3,-820 -250,-820 P1.1
PWM: R27.2 U2.10 | length 524.3
  Top Layer w10: U2.10 -2005.3,-302.07 -1951.3,-302.07 -1913.37,-340 -1630,-340 -1610.49,-359.51 -1610.49,-418.84 -1580.32,-449.02 R27.2
RCLK: U2.16 U3.12 | length 193.6
  Top Layer w10: U2.16 -1722.91,-172.2 -1660.7,-110 U3.12
SER: U2.15 U3.14 | length 174
  Top Layer w10: U2.15 -1692.2,-197.8 -1678.6,-211.4 -1616.4,-211.4 U3.14
SRCLK: U2.17 U3.11 | length 203.7
  Top Layer w10: U2.17 -1782.07,-145.89 -1724.88,-145.89 -1638.98,-60 U3.11
SWIM: P2.2 U2.18 | length 185.3
  Top Layer w10: P2.2 -1830,10 -1830,-108.98 -1817.95,-121.02 U2.18
UP: C10.2 K2.2 R7.1 U2.1 | length 1995
  Top Layer w10: C10.2 -2109.68,-25.67 -2065.51,-69.84 U2.1 -2006.66,-69.3 -1940.7,-69.3 -1925,-85 v1(-1925,-110)
  Bottom Layer w10: v1(-1925,-110) -1933.78,-118.78 -1933.78,-536.22 -1820,-650 -823.72,-650 K2.2
VBUS: C2.2 C5.2 F1.2 IC1.5 L1.1 R4.1 U1.3
VCAP: C8.2 U2.8 | length 114.2
  Top Layer w15: C8.2 -2100,-220 -2071.02,-248.98 U2.8
VOLATAGE: C14.2 R20.1 R21.2 U2.19 | length 1761.3
  Top Layer w10: U2.19 -1782.07,-96.16 -1780.92,-95 v1(-1720,-95) ; R20.1 v1(-605,-565) C14.2 R21.2
  Bottom Layer w10: v1(-1720,-95) -1710.59,-85.59 -1454.18,-85.59 -1453.95,-85.35 -1453.88,-85.35 -1453.64,-85.59 -669.41,-85.59 -630,-125 -630,-320 -601.85,-348.15 -601.85,-561.85 v1(-605,-565)
VOUT: C12.1 C13.2 L2.2 R20.2 USB2.1 | length 417.4
  Bottom Layer w100: C12.1 -534.21,-644.21 -407.8,-517.8 USB2.1
pads on no net: IC1.6 K1. K2. SMG1.6 U2.5 U2.6 U3.9 USB1.0 USB1.2 USB1.3 USB2.2 USB2.3

## Polygon pours and split planes (outlines as drawn)
GND on Top Layer "Top Layer-GND" (solid, pour order 0): -2507.37,90.27 27.63,90.27 cw(c27.63,25.27) 92.63,25.27 92.63,-774.73 cw(c27.63,-774.73) 27.63,-839.73 -2497.37,-839.73 cw(c-2497.37,-774.73) -2562.37,-774.73 -2562.37,35.27 cw(c-2507.37,35.27)
GND on Bottom Layer "Bottom Layer-GND" (solid, pour order 2): -2510,85 25,85 cw(c25,20) 90,20 90,-780 cw(c25,-780) 25,-845 -2500,-845 cw(c-2500,-780) -2565,-780 -2565,30 cw(c-2510,30)

## Keep-outs
Keep-Out Layer:
  the board outline again, w10

## Other copper
Top Layer:
  region net 16.8V: -1698.54,-548.54 -1715,-565 -1730,-565 -1735,-570 -1735,-701.35 -1716.34,-720 -1679.4,-720
  region net NetF1_1: -2400.13,-479.87 -2270.13,-479.87 -2245,-505 -2245,-569.74 -2260.13,-584.87 -2370.13,-584.87 -2405.13,-549.87 -2420.13,-534.87 -2420.13,-499.87
  region net VBUS: -2250,-480 -2230,-500 -2230,-535 -2220,-545 -2165,-545 -2150,-560 -2150,-625 -2170,-645 -2300,-645 -2310,-655 -2310,-710 -2300,-720 -2055,-720 -2020,-685 -2020,-479.42 -2000.58,-460 -1940,-460 -1940,-430 -2250,-430
  region net AGND: -485,-145 -485,-280 -480,-285 -255,-285 -235,-265 -235,-225 -255,-205 -430,-205 -445,-190 -445,-145 -450,-140 -480,-140
  region net VOUT: -740,-670 -740,-645 -730,-635 -700,-635 -510,-635 -500,-645 -500,-785 -515,-800 -715,-800 -740,-775
  region net NetD2_2: -1255,-800 -1235,-820 -965,-820 -950,-805 -950,-635 -955,-630 -1150,-630 -1161.18,-641.18 -1161.18,-721.18 -1175,-735 -1245,-735 -1255,-745
  region net NetC16_2: -1275,-505 -1285,-495 -1410,-495 -1410,-540 -1335,-540 -1320,-555 -1320,-610 -1315,-615 -1280,-615 -1275,-610
  region net NetD3_2: -1400,-680 -1345,-680 -1275,-680 -1275,-640 -1325,-640 -1335,-630 -1335,-580 -1345,-570 -1400,-570
  region net NetD3_1: -1485,-695 -1485,-720
  region net 16.8V: -1710,-707.14 -1697.14,-720 -1630,-720 -1615,-735 -1615,-816.54 -1606.54,-825 -1299.8,-825 -1295,-820.2 -1295,-783.63 -1361.36,-783.63 -1370,-774.99 -1370,-735 -1380,-725 -1520,-725 -1535,-710 -1535,-670 -1545,-660 -1630,-660 -1655,-635 -1655,-545 -1645,-535 -1560,-535 -1560,-495 -1565,-490 -1660,-490 -1665,-485 -1665,-459.83 -1669.83,-455 -1705,-455 -1710,-460
  region net NetD3_1: -1535,-540 -1510,-540 -1495,-555 -1495,-660 -1475,-680 -1430,-680 -1430,-490 -1535,-490 -1540,-495 -1540,-535
  region net VOUT: -280,-550
  region net NetIC1_4: -2062.5,-420 -1940,-420 -1940,-372.5 -1947.5,-365 -2060,-365 -2070,-375 -2070,-412.5
  region net NetD1_1: -1880,-470 -1880,-780 -1830,-830 -1651.68,-830 -1640,-818.32 -1640,-750 -1650,-740 -1765,-740 -1785,-720 -1785,-635 -1795,-625 -1815,-625 -1825,-615 -1825,-480 -1835,-470
  region net NetIC1_3: -1880,-420 -1785,-420 -1770,-435 -1770,-500 -1765,-505 -1735,-505 -1730,-500 -1730,-395 -1740,-385 -1880,-385
  region: -2295,-620
Bottom Layer:
  region net NetF1_1: -2400,-480 -2270,-480 -2260,-490 -2260,-560 -2270,-570 -2385,-570 -2405,-550 -2420,-535 -2420,-500

## Silkscreen, mask and mechanical layers (free items; w line width, h text height)
Bottom Overlay:
  drawing of 824 lines, arcs and shapes, not listed
  text "Design by Magnin" at -2000,-215 h98.43 r180
  text "V1.2" at -375,-435 h78.74
  text "切换" at -2014.94,-647.13 h70 r180
  text "调节" at -884.94,-652.32 h70 r180

## Text inside footprints (layer, text, board x,y; h text height)
USB2: Top Overlay "GND" at -205,-260 h35; Top Overlay "D+" at -205,-360 h35; Top Overlay "D-" at -205,-450 h35; Top Overlay "VCC" at -205,-540 h35; Top Overlay "USB-A" at 65,-475 h35 r90